# Altium PCB motordriver-v5.1_willem.PcbDoc (part 3 of 6) (continued)
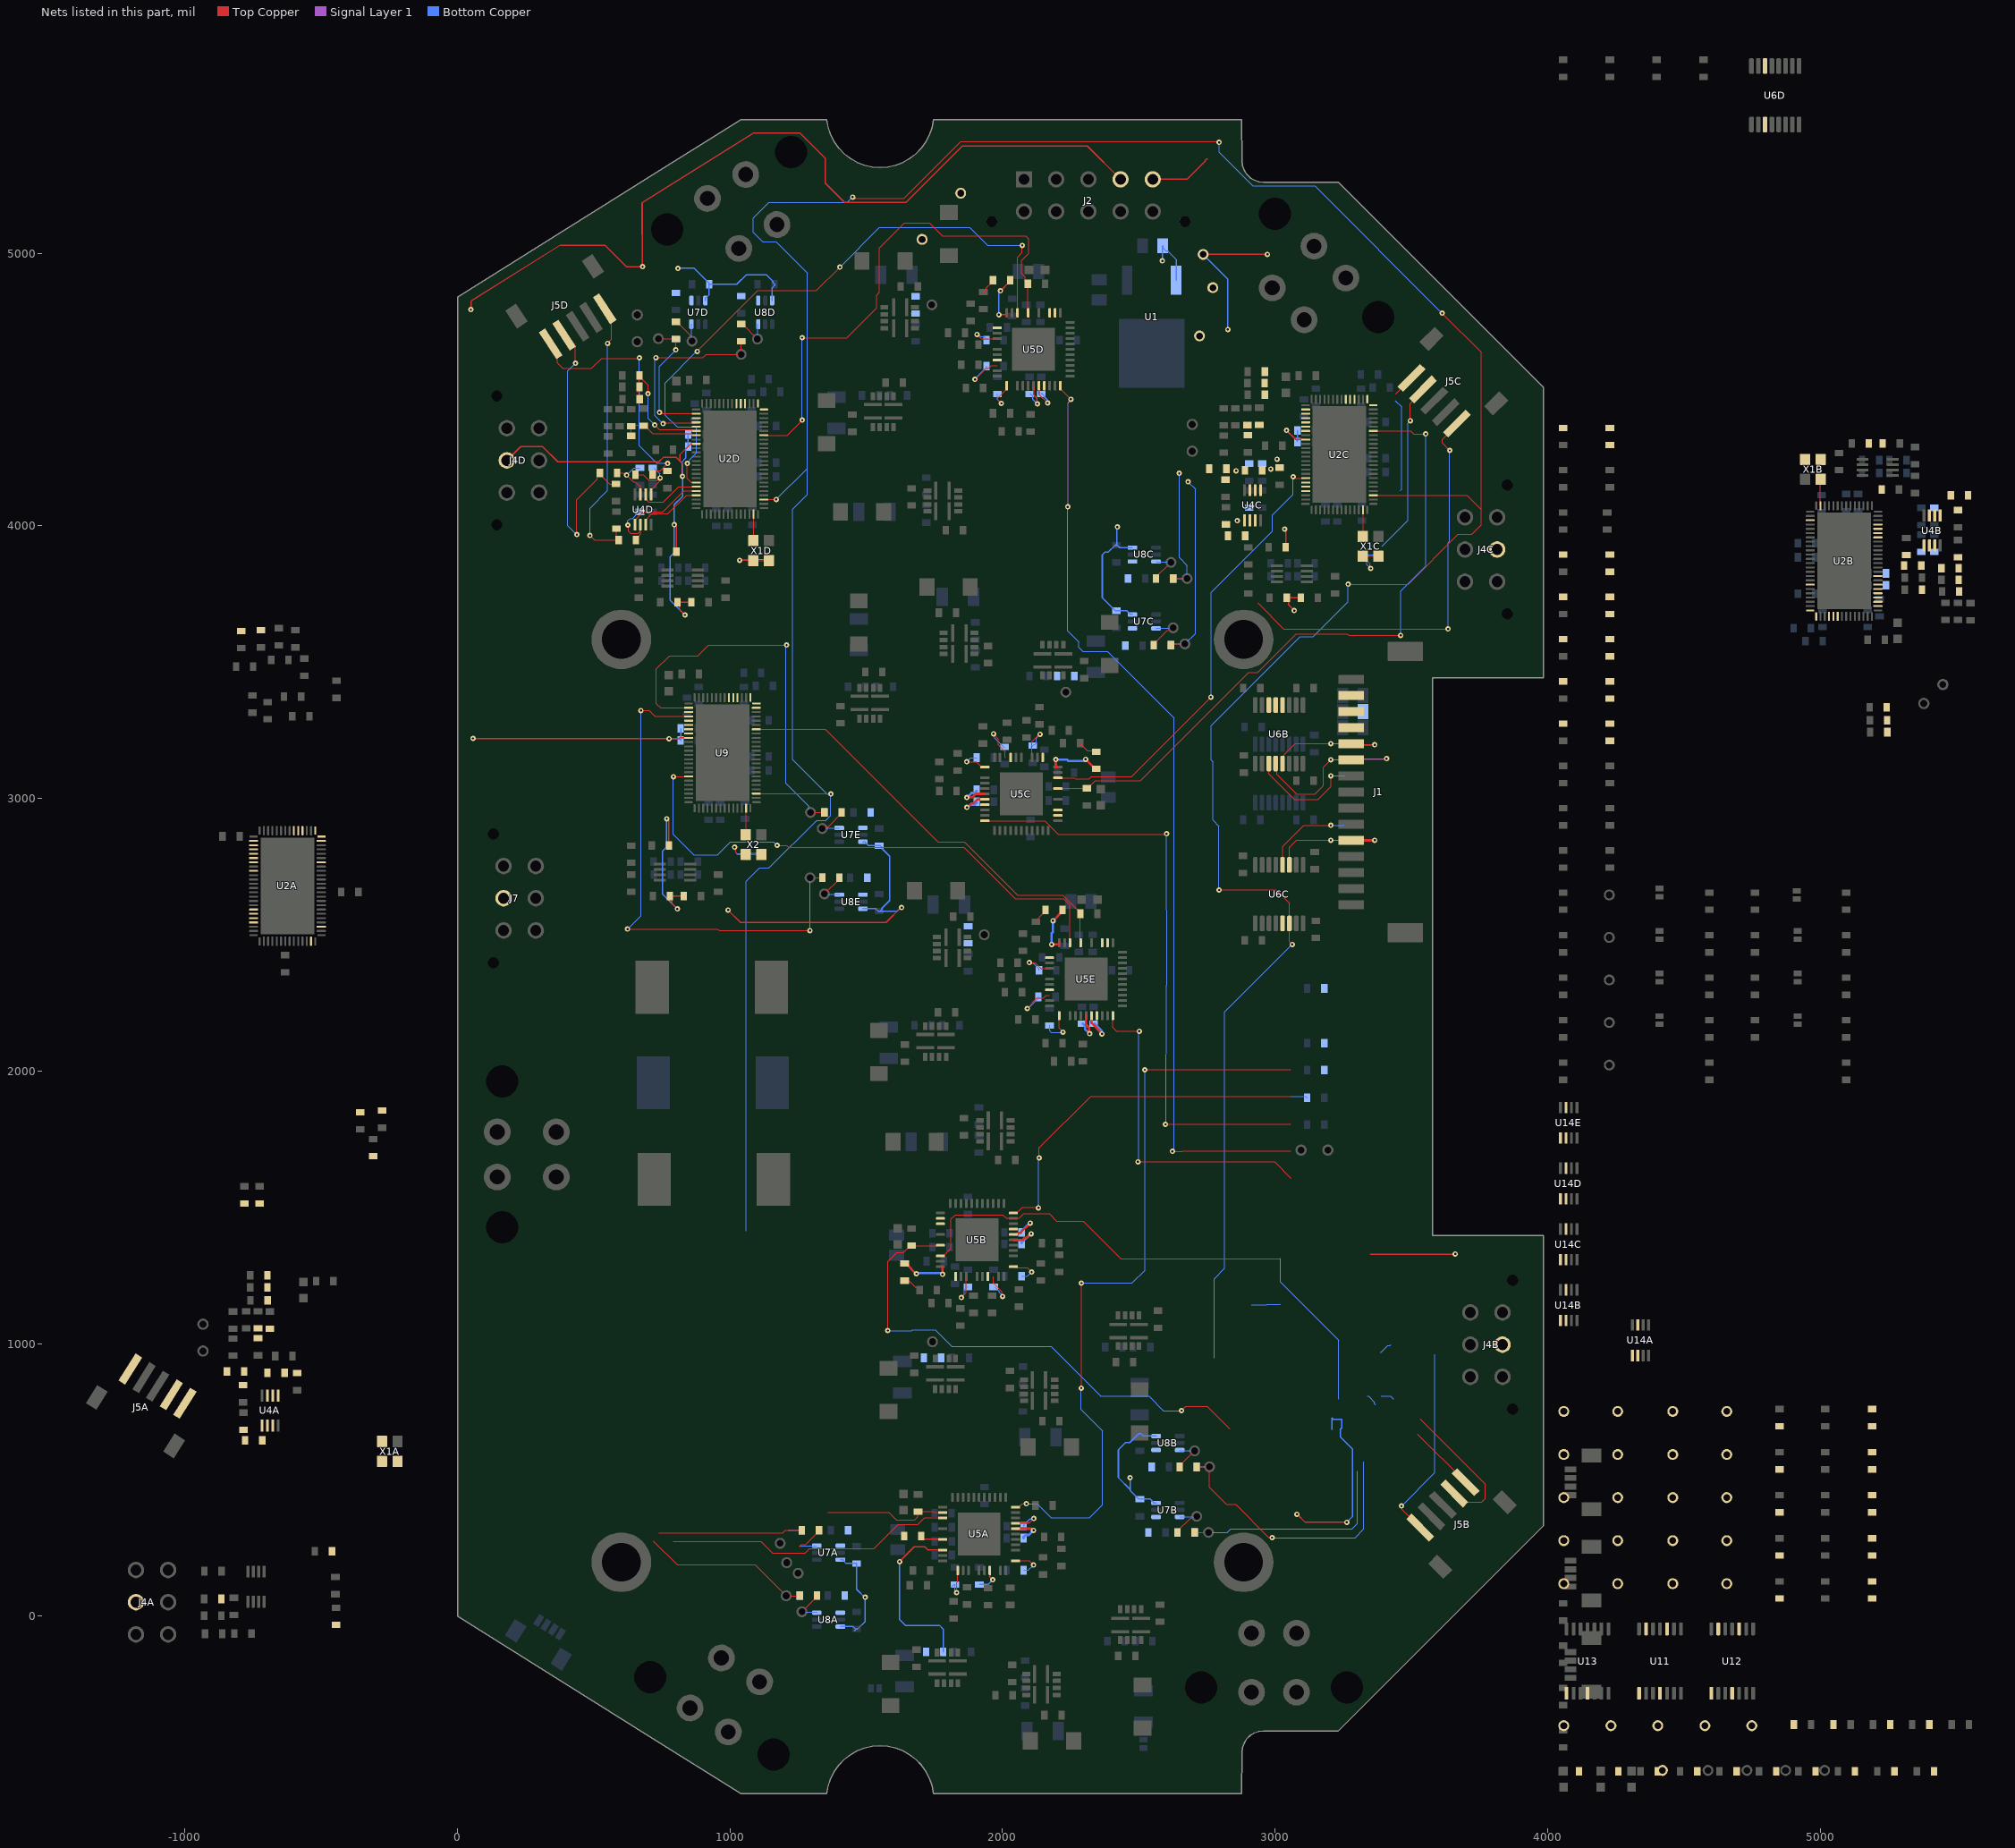
[diagram p5: the nets of this part, all layers, seen from the top]
## Nets (pads, with @x,y where several pads share a name; then routed paths per layer and width w, separated by ;. In a path a pad name is that pad's centre, name@x,y a point inside that pad or via, vN(x,y) a via of type N, cw(c..) or ccw(c..) an arc to the next point about the centre after c; other vN are vias at no path point) (continued)
  Top Copper w10: R49B.1@1640.87,1293.82 R49B.1@1644.81,1293.82
  Bottom Copper w9: v1@1691.85,1258.77 1771.83,1258.77 1776.96,1253.64 v1(1779.86,1253.64)
CPOC: R49C.1 U5C.26 | length 203.2
  Top Copper w9: v1(2195.37,3142.69) 2195.37,3115.34 2195.79,3114.92 2202.98,3114.92 ; v1(2304.91,3143.66) 2333.03,3115.54 2336.97,3115.54 R49C.1@2344.28,3108.23
  Bottom Copper w9: v1(2195.37,3142.69) 2235.95,3142.69 2240.84,3137.8 2299.04,3137.8 v1(2304.91,3143.66)
CPOD: R49D.1 U5D.26 | length 179.9
  Top Copper w5: v1(1986.6,4774.69) 2015.17,4774.69 ; v1(1992.72,4862.2) R49D.1@2024.21,4893.7 ; 2015.59,4775.11 2015.59,4781.72
  Top Copper w9: 2015.17,4774.69 2015.59,4775.11
  Top Copper w10: R49D.1@2024.21,4893.7 2028.15,4897.64 R49D.1@2028.15,4901.57
  Bottom Copper w5: v1(1986.6,4774.69) 1986.6,4853.19 1992.72,4859.31 v1(1992.72,4862.2)
CPOE: R49E.1 U5E.26 | length 176.2
  Top Copper w9: v1(2180.17,2464.63) 2207.49,2464.63 2207.91,2465.05 2207.91,2470.69 ; v1(2185.04,2551.18) R49E.1@2216.53,2582.68
  Top Copper w10: R49E.1@2216.53,2582.68 2220.47,2586.62 R49E.1@2220.47,2590.55
  Bottom Copper w9: v1(2180.17,2464.63) 2180.17,2504.45 2185.04,2509.32 v1(2185.04,2551.18)
CS0: J1.2 R81D.2
CS0_FILTER: C74D.2 R81D.1 U6B.3 | length 413.3
  Top Copper w3.5: U6B.3@2977.36,3127.95 2977.36,3089.18 3070.8,2995.75 3157.17,2995.75 3204.72,3043.31 v1(3204.72,3082.68)
  Bottom Copper w3.5: v1(3204.72,3082.68) 3253.39,3082.68 3253.94,3082.13
CS0_ISO: U6B.14 U14A.7
CS1: J1.3 R81E.2
CS1_FILTER: C74E.2 R81E.1 U6B.4 | length 417.6
  Top Copper w3.5: v1(3204.72,3141.73) 3177.17,3114.17 3177.17,3047.24 3145.67,3015.75 3079.08,3015.75 3006.22,3088.61 U6B.4@3006.22,3127.38 ; U6B.4@3004,3129.6 U6B.4@3006.22,3127.38 ; U6B.4@3004,3129.6 U6B.4@3006.22,3127.38 ; U6B.4@3004,3129.6 U6B.4@3006.22,3127.38
  Bottom Copper w3.5: v1(3204.72,3141.73) 3253.5,3141.73 3253.94,3141.3
CS1_ISO: U6B.13 U14B.7
CS2: J1.4 R81F.2
CS2_FILTER: C74F.2 R81F.1 U6B.5 | length 272.6
  Top Copper w3.5: U6B.5@3027.36,3127.95 3031.22,3131.81 3031.22,3158.59 3073.42,3200.79 v1(3204.72,3200.79)
  Bottom Copper w3.5: v1(3204.72,3200.79) 3253.61,3200.79 3253.94,3200.46
CS2_ISO: U6B.12 U14C.7
CS3: J1.5 R81G.2 | length 139.1
  Top Copper w3.5: J1.5@3279.33,3200.55 3281.18,3198.7 3364.29,3198.7 v1(3366.14,3196.85)
  Bottom Copper w3.5: 3316.93,3200.46 3320.54,3196.85 v1(3366.14,3196.85)
CS3_FILTER: C74G.2 R81G.1 U6C.4 | length 327.3
  Top Copper w3.5: U6C.4@3027.74,2756.18 3027.74,2823.74 3105.57,2901.58 v1(3204.72,2901.58)
  Bottom Copper w3.5: v1(3204.72,2901.58) 3250.87,2901.58 3253.94,2904.64
CS3_ISO: U6C.13 U14D.7
CS4: J1.6 R81H.2 | length 226.2
  Top Copper w3.5: J1.6@3279.33,3141.5 3281.42,3143.58 3407.36,3143.58 v1(3409.45,3145.67)
  Bottom Copper w3.5: 3316.93,3141.3 3321.3,3145.67 v1(3409.45,3145.67)
CS4_FILTER: C74H.2 R81H.1 U6C.3 | length 276.6
  Top Copper w3.5: U6C.3@3052.74,2756.18 3052.74,2820.45 3078.74,2846.46 v1(3204.72,2846.46)
  Bottom Copper w3.5: v1(3204.72,2846.46) 3252.95,2846.46 3253.94,2845.47
CS4_ISO: U6C.14 U14E.7
CTRL_C\S\: R9.2 U9.6 U13.1 U14E.1
CTRL_C\S\A: R1.2 U2A.6 U11.1 U14A.1
CTRL_C\S\B: R3.2 U2B.6 U11.10 U14B.1
CTRL_C\S\C: R5.2 U2C.6 U12.1 U14C.1
CTRL_C\S\D: R7.2 U2D.6 U12.10 U14D.1
CTRL_EN: J1.11 R81K.2 | length 136.5
  Top Copper w10: J1.11@3279.33,2846.22 3279.45,2846.34 3366.02,2846.34 v1(3366.14,2846.46)
  Bottom Copper w10: 3316.93,2845.47 3317.91,2846.46 v1(3366.14,2846.46)
CTRL_EN_FILTER: C74K.2 R81K.1 U6D.3
CTRL_EN_ISO: U2A.55 U2B.55 U2C.55 U2D.55 U6D.14 U9.55 | length 12770.1
  Top Copper w3.5: U9.55@1096.54,3017.68 1097.38,3016.84 1369.16,3016.84 v1(1370,3016) ; U2D.55@1124.09,4096.42 1124.45,4096.78 1169.19,4096.78 v1(1169.55,4097.14) ; v1(1450,5206) 1453.1,5202.9 1459.55,5202.9 1460.14,5202.31 1638.31,5202.31 1846.16,5410.16 2784.86,5410.16 2784.92,5410.1 2791.9,5410.1 v1(2795,5407) ; v1(2795,2664) 2796.08,2665.08 3002.92,2665.08 3052.74,2615.26 3052.74,2474.82 v1(3062.99,2464.57) ; v1(3268,3786) 3488.83,3786 3672.31,3969.49 3722.24,3969.49 3756.67,4003.92 3756.67,4059.11 ; U2C.55@3360.31,4112.17 3703.62,4112.17 3756.67,4059.11 ; v1(3613.09,4780.52) 3756.67,4636.94 3756.67,4059.11
  Bottom Copper w3.5: 1059.56,1412.36 1059.56,2695.56 1109,2745 1143.31,2745 1317.7,2919.39 1352.01,2919.39 1370,2937.38 v1(1370,3016) 1356,3016 1229,3143 1229,4061.54 1283.61,4116.15 1283.61,4211.19 ; v1(1169.55,4097.14) 1283.61,4211.19 ; v1(1450,5206) 1430.57,5186.57 1142.49,5186.57 1085.93,5130.01 1085.93,5076.19 1119.97,5042.15 1169.48,5042.15 1283.61,4928.02 1283.61,4211.19 ; 2777,946 2777,1238 2815,1276 2815,2216.58 v1(3062.99,2464.57) ; v1(2795,2664) 2794,2665 2794,2898 2771.48,2920.52 2771.48,3134.52 2766,3140 2766,3267 3092,3593 3140,3593 3268,3721 v1(3268,3786) ; v1(2795,5407) 2795,5371 2918,5248 3145.61,5248 v1(3613.09,4780.52)
CUA: C31A.1 U5A.1 | length 116.3
  Top Copper w3.5: U5A.1@2047.92,202.91 2098.39,202.91 v1(2113.76,187.53)
  Bottom Copper w3.5: C31A.1@2077.67,168.22 2094.45,168.22 v1(2113.76,187.53)
CUB: C31B.1 U5B.1 | length 118.1
  Top Copper w3.5: U5B.1@2040.05,1281.65 2042.47,1279.23 2055.63,1279.23 2057.21,1277.64 2091.3,1277.64 v1(2106.77,1262.17)
  Bottom Copper w3.5: C31B.1@2069.8,1246.96 2091.57,1246.96 v1(2106.77,1262.17)
CUC: C31C.1 U5C.1 | length 118.1
  Top Copper w3.5: v1(1868.51,3134.41) 1903.97,3134.41 1923.45,3114.92 U5C.1@1935.26,3114.92
  Bottom Copper w3.5: v1(1868.51,3134.41) 1883.71,3149.61 C31C.1@1905.51,3149.61
CUD: C31D.1 U5D.1 | length 124.4
  Top Copper w3.5: v1(1995.59,4449.32) 1982.95,4461.97 1982.95,4469.55 2015.59,4502.19 U5D.1@2015.59,4514
  Bottom Copper w3.5: C31D.1@1980.91,4484.25 1980.91,4464.01 v1(1995.59,4449.32)
CUE: C31E.1 U5E.1 | length 136.5
  Top Copper w3.5: U5E.1@2207.91,2202.98 2207.91,2157.09 2221.75,2143.25 v1(2221.75,2142.87)
  Bottom Copper w3.5: C31E.1@2172.54,2166.98 2172.54,2148.53 2179.01,2142.06 2220.94,2142.06 v1(2221.75,2142.87)
CUR_OUT1A: R59A.1 TP18A.1 U7A.6 | length 161.1
  Top Copper w3.5: 1255.91,255.91 1262.22,262.22 1277.97,262.22 1326.77,311.02 R59A.1@1326.77,314.96
  Bottom Copper w3.5: 1255.91,255.91 1257.05,257.05 1317.24,257.05 U7A.6@1318.38,258.19
CUR_OUT1B: R59B.1 TP18B.1 U7B.6 | length 161.1
  Top Copper w3.5: R59B.1@2641.73,307.09 2641.73,311.02 2690.54,359.83 2706.28,359.83 2712.6,366.14
  Bottom Copper w3.5: U7B.6@2650.12,363.86 2651.26,365 2711.46,365 2712.6,366.14
CUR_OUT1C: R59C.1 TP18C.1 U7C.6 | length 161.1
  Top Copper w3.5: R59C.1@2555.12,3566.93 2555.12,3570.87 2563.43,3579.18 2567.37,3579.18 2605.51,3617.32 2608.39,3617.32 2617.05,3625.98 2625.98,3625.98
  Bottom Copper w3.5: U7C.6@2563.5,3623.7 2564.65,3624.84 2624.84,3624.84 2625.98,3625.98
CUR_OUT1D: R59D.1 TP18D.1 U7D.6 | length 161.1
  Top Copper w3.5: R59D.1@801.5,4748.55 805.43,4748.55 854.81,4699.17 854.81,4683.42 860.55,4677.68
  Bottom Copper w3.5: U7D.6@858.27,4740.16 859.41,4739.02 859.41,4678.82 860.55,4677.68
CUR_OUT1E: R59E.1 TP18E.1 U7E.6 | length 161.1
  Top Copper w3.5: 1338.58,2889.76 1344.9,2896.08 1360.65,2896.08 1409.45,2944.88 R59E.1@1409.45,2948.82
  Bottom Copper w3.5: 1338.58,2889.76 1339.72,2890.9 1399.92,2890.9 U7E.6@1401.06,2892.05
CUR_OUT2A: R60A.1 TP20A.1 U8A.6 | length 137.7
  Top Copper w3.5: 1263.78,15.75 1318.9,70.87 R60A.1@1318.9,74.8
  Bottom Copper w3.5: 1263.78,15.75 1265.3,14.23 1316.87,14.23 U8A.6@1318.39,12.72
CUR_OUT2B: R60B.1 TP20B.1 U8B.6 | length 137.7
  Top Copper w3.5: R60B.1@2649.61,547.24 2649.61,551.18 2704.72,606.3
  Bottom Copper w3.5: U8B.6@2650.12,609.33 2651.63,607.82 2703.21,607.82 2704.72,606.3
CUR_OUT2C: R60C.1 TP20C.1 U8C.6 | length 137.7
  Top Copper w3.5: R60C.1@2562.99,3807.09 2562.99,3811.02 2618.11,3866.14
  Bottom Copper w3.5: U8C.6@2563.5,3869.17 2565.02,3867.66 2616.59,3867.66 2618.11,3866.14
CUR_OUT2D: R60D.1 TP20D.1 U8D.6 | length 137.7
  Top Copper w3.5: R60D.1@1041.65,4740.67 1045.59,4740.67 1100.71,4685.55
  Bottom Copper w3.5: 1100.71,4685.55 1102.22,4687.07 1102.22,4738.64 U8D.6@1103.74,4740.16
CUR_OUT2E: R60E.1 TP20E.1 U8E.6 | length 137.7
  Top Copper w3.5: 1346.46,2649.61 1401.58,2704.72 R60E.1@1401.57,2708.66
  Bottom Copper w3.5: 1346.46,2649.61 1347.97,2648.09 1399.55,2648.09 U8E.6@1401.06,2646.57
CUR_UA: C46A.2 R59A.2 TP17A.1 U2A.16 | length 580.2
  Top Copper w3.5: 738.79,305.12 1193.83,305.12 1203.67,314.96 R59A.2@1263.78,314.96
  Bottom Copper w3.5: 1212.6,314.96 C46A.2@1263.78,314.96
CUR_UB: C46B.2 R59B.2 TP17B.1 U2B.16 | length 853.6
  Top Copper w3.5: R59B.2@2704.72,307.09 2755.91,307.09
  Bottom Copper w3.5: C46B.2@2704.72,307.09 2755.91,307.09 2824.84,307.09 2838.17,320.42 3283.27,320.42 3302,339.15 3302,531
CUR_UC: C46C.2 R59C.2 TP17C.1 U2C.16 | length 826.6
  Top Copper w3.5: R59C.2@2618.11,3566.93 2669.29,3566.93 R59C.2@2618.11,3566.93
  Bottom Copper w3.5: v1(2681,4162) 2707.56,4135.44 2707.56,3605.2 2669.29,3566.93 ; 2669.29,3566.93 2618.11,3566.93 2669.29,3566.93
CUR_UD: C46D.2 R59D.2 TP17D.1 U2D.16 | length 537.6
  Top Copper w3.5: 737,4687 800.05,4687 R59D.2@801.5,4685.55 801,4685.06 v1(801,4646) ; v1(741,4416) 743.81,4413.19 874.25,4413.19 U2D.16@876.06,4411.38
  Bottom Copper w3.5: v1(741,4416) 740,4417 740,4585 v1(801,4646) 801.5,4646 C46D.2@801.5,4685.55
CUR_UE: C46E.2 R59E.2 TP17E.1 U9.16 | length 1509.5
  Top Copper w3.5: 779.87,3331.95 745.21,3331.95 729.78,3347.39 729.78,3475.35 778.12,3523.69 882.61,3523.69 921.82,3562.9 v1(1207.58,3562.9) ; 779.89,3331.98 U9.16@836.61,3331.98 ; 1295.27,2948.82 R59E.2@1346.46,2948.82
  Bottom Copper w3.5: v1(1207.58,3562.9) 1205.79,3561.11 1205.79,3055.21 1289.37,2971.63 1289.37,2954.72 1295.28,2948.82 C46E.2@1346.46,2948.82
CUR_WA: C49A.2 R60A.2 TP19A.1 U2A.18 | length 671.7
  Top Copper w3.5: 717.8,276.3 805.9,188.2 1092.41,188.2 1206.11,74.5 1255.6,74.5 R60A.2@1255.9,74.8
  Bottom Copper w3.5: 1206.11,74.5 1255.6,74.5 C49A.2@1255.9,74.8
CUR_WB: C49B.2 R60B.2 TP19B.1 U2B.18 | length 1063.7
  Top Copper w3.5: R60B.2@2712.6,547.24 2755.91,547.24 ; 2759.7,547.57 2759.7,471.84 2822.11,409.42 2855.65,409.42 2976.09,288.98 2988.21,288.98 v1(2989.41,287.78)
  Bottom Copper w3.5: C49B.2@2712.6,547.24 2755.91,547.24 ; v1(2989.41,287.78) 3293.51,287.78 3325,319.26 3325,566
CUR_WC: C49C.2 R60C.2 TP19C.1 U2C.18 | length 492.9
  Top Copper w3.5: R60C.2@2625.98,3807.09 2669.29,3807.09
  Bottom Copper w3.5: C49C.2@2625.98,3807.09 2626.36,3806.71 2677.18,3806.71 2677.18,3855.1 2648.48,3883.8 v1(2648.48,4193.02)
CUR_WD: C49D.2 R60D.2 TP19D.1 U2D.18 | length 789.7
  Top Copper w3.5: v1(728,4617) 900,4617 912.5,4629.5 1040.9,4629.5 ; v1(754,4375) 757.07,4378.07 874.25,4378.07 U2D.18@876.06,4379.88 ; 1041.65,4634.37 R60D.2@1041.65,4677.68
  Bottom Copper w3.5: v1(728,4617) 728,4612.62 724.41,4609.03 724.41,4404.59 v1(754,4375) ; 1040.9,4629.5 1040.9,4676.93 C49D.2@1041.65,4677.68
CUR_WE: C49E.2 R60E.2 TP19E.1 U9.18 | length 1962.6
  Top Copper w3.5: v1(623.91,2520.9) 954.36,2520.9 960.12,2515.15 v1(1293.38,2515.15) ; v1(673.27,3322.43) 702.34,3322.43 723.63,3301.14 U9.18@848.5,3301.14 ; R60E.2@1338.58,2708.66 1295.28,2708.66 ; 1295.28,2708.66 1293.79,2707.18 1295.28,2708.66
  Bottom Copper w3.5: v1(623.91,2520.9) 673.27,2570.27 v1(673.27,3322.43) ; v1(1293.38,2515.15) 1293.59,2515.36 1293.59,2708.7 1293.79,2708.9 ; 1295.27,2708.66 C49E.2@1338.58,2708.66
CVA: C32A.1 U5A.35 | length 94.9
  Top Copper w5: U5A.35@1953.44,167.47 1953.44,143.56 v1(1964,133)
  Bottom Copper w5: C32A.1@1915,116 1947,116 v1(1964,133)
CVB: C32B.1 U5B.35 | length 134.8
  Top Copper w3.5: 1965.25,1246.22 1966.28,1245.18 1966.28,1221.98 1998.21,1190.05 1998.21,1174.7 v1(2000.19,1172.71)
  Bottom Copper w3.5: C32B.1@1971.37,1207.59 1987.75,1191.21 1987.75,1188.34 2000.19,1175.9 v1(2000.19,1172.71)
CVC: C32C.1 U5C.35 | length 172.5
  Top Copper w3.5: v1(1966.62,3237.2) 1985.44,3218.39 1985.44,3196.02 2009.8,3171.65 2009.8,3150.62 2010.06,3150.36
  Bottom Copper w3.5: v1(1966.62,3237.2) 1966.62,3233.23 1971.01,3228.84 1971.01,3221.91 2003.94,3188.98 C32C.1@2007.87,3188.98
CVD: C32D.1 U5D.35 | length 168.8
  Top Copper w3.5: v1(1899.14,4537.64) 1940.1,4578.61 1948.93,4578.61 1958.86,4588.54 1979.89,4588.54 1980.16,4588.8
  Bottom Copper w3.5: v1(1899.14,4537.64) 1899.14,4540.28 1941.54,4582.68 C32D.1@1941.54,4586.61
CVE: C32E.1 U5E.35 | length 171.9
  Top Copper w3.5: v1(2090.92,2229.04) 2109.56,2247.69 2109.56,2251.75 2125.4,2267.58 2150.47,2267.58 2160.67,2277.78 2172.48,2277.78
  Bottom Copper w3.5: v1(2090.92,2229.04) 2092.54,2229.04 C32E.1@2131.89,2268.39 ; C32E.1@2131.89,2268.39 2131.89,2273.62 C32E.1@2131.89,2268.39
CWA: C40A.1 U5A.30 | length 132.5
  Top Copper w3.5: v1(1832,86) 1832,122.72 1835.32,126.04 U5A.30@1835.32,167.47
  Bottom Copper w3.5: C40A.1@1812.75,106.7 1822.06,116.01 C40A.1@1826,116.01 1826,92 v1(1832,86)
CWB: C40B.1 U5B.30 | length 136.5
  Top Copper w3.5: v1(1848.82,1168.51) 1866.82,1186.51 1866.82,1246.22
  Bottom Copper w3.5: v1(1848.82,1168.51) 1848.82,1171.29 1859.7,1182.16 1859.7,1198.28 1869.01,1207.59 C40B.1@1872.95,1207.59
CWC: C40C.1 U5C.30 | length 176
  Top Copper w3.5: 2108.49,3150.36 2108.49,3208.64 2135.67,3235.83 v1(2137.68,3235.83)
  Bottom Copper w3.5: C40C.1@2104.12,3188.98 C40C.1@2106.3,3188.98 ; v1(2137.68,3235.83) 2137.68,3235.48 2123.82,3221.62 2123.82,3203.02 2119.09,3198.29 C40C.1@2115.61,3198.29 ; C40C.1@2106.3,3188.98 C40C.1@2115.61,3198.29 ; C40C.1@2106.3,3188.98 C40C.1@2115.61,3198.29
CWD: C40D.1 U5D.30 | length 127.2
  Top Copper w3.5: v1(1906.1,4702.78) 1921.65,4687.23 1980.16,4687.23
  Bottom Copper w3.5: v1(1906.1,4702.78) 1910.07,4702.78 1918.51,4694.35 1932.22,4694.35 1941.54,4685.04 C40D.1@1941.54,4681.1
CWE: C40E.1 U5E.30 | length 133.4
  Top Copper w3.5: v1(2097.92,2397.97) 2118.68,2397.97 2140.44,2376.21 2172.48,2376.21
  Bottom Copper w3.5: v1(2097.92,2397.97) 2100.73,2395.16 2112.71,2395.16 2133.86,2374.02 C40E.1@2133.86,2370.08
D\B\G\S\P\I\_\C\S\_E: TP21.1 U9.75
DBGSPI.DBGSPI_MISO: TP4.1 U2A.4
DBGSPI.DBGSPI_MOSI: TP3.1 U2A.1
DBGSPI.DBGSPI_SCK: TP2.1 U2A.76
DBGSPI.DBGSPI_TRG: TP5.1 U2A.5 | length 549.3
  Top Copper w5: TP5.1@2736.22,4996.06 v1(2972.44,4996.06)
  Bottom Copper w5: TP5.1@2736.22,4996.06 2826.77,4905.51 v1(2826.77,4720.47)
DBGSPI.~DBGSPI_CS: TP1.1 U2A.75
DBGSPI_MISO_E: TP24.1 U9.4
DBGSPI_MISOB: U2B.4
DBGSPI_MISOC: U2C.4
DBGSPI_MISOD: U2D.4
DBGSPI_MOSI_E: TP23.1 U9.1
DBGSPI_MOSIB: U2B.1
DBGSPI_MOSIC: U2C.1
DBGSPI_MOSID: U2D.1
DBGSPI_SCK_E: TP22.1 U9.76
DBGSPI_SCKB: U2B.76
DBGSPI_SCKC: U2C.76
DBGSPI_SCKD: U2D.76
DBGSPI_TRG_E: TP25.1 U9.5
DBGSPI_TRGB: U2B.5
DBGSPI_TRGC: U2C.5
DBGSPI_TRGD: U2D.5
DRB_TEMP: C72.2 R77.2 R79.1 U9.22
DRV_C\S\A: R2.2 U5A.10 U11.4 U14A.2 | length 2737.1
  Top Copper w3.5: U5A.10@2047.92,399.76 2059.73,399.76 2071.98,412 v1(2088,412) ; v1(2288.91,836.58) 2289.12,836.8 2289.12,1221.57 v1(2289.34,1221.79) ; v1(2522.07,2004.25) 2523.49,2005.67 3056.85,2005.67 3058.27,2007.09
  Bottom Copper w3.5: v1(2088,412) 2127.69,412 2178.99,360.7 2320,360.7 2367.21,407.9 2367.21,679.32 2288.91,757.62 v1(2288.91,836.58) ; v1(2289.34,1221.79) 2475.77,1221.79 2522.07,1268.09 v1(2522.07,2004.25)
DRV_C\S\B: R4.2 U5B.10 U11.13 U14B.2 | length 1324.9
  Top Copper w3.5: U5B.10@2040.05,1478.5 2051.86,1478.5 2073.49,1500.13 2129.87,1500.13 v1(2132,1498) ; v1(2134,1681) 2134,1717.5 2323.59,1907.09 3058.27,1907.09
  Bottom Copper w3.5: v1(2132,1498) 2133,1499 2133,1680 v1(2134,1681)
DRV_C\S\C: R6.2 U5C.10 U12.4 U14C.2 | length 2437.4
  Top Copper w3.5: v1(2598,1804) 2599.54,1805.54 3056.72,1805.54 3058.27,1807.09 ; v1(2602,2870) 2599.8,2867.81 2205.19,2867.81 2154.97,2918.02 ; 2154.97,2918.02 1935.26,2918.02 2154.97,2918.02
  Bottom Copper w3.5: v1(2598,1804) 2598.97,1804.97 2600,1806 2601.59,2314.95 ccw(c2585,2315) 2601.59,2315.05 2600,2865.1 2600,2868 2601.03,2869.02 v1(2602,2870)
DRV_C\S\D: R8.2 U5D.10 U12.13 U14D.2 | length 3483.5
  Top Copper w3.5: U5D.10@2212.44,4514 2212.44,4502.19 2249.94,4464.69 v1(2251,4464.69) ; v1(2623,1705) 2658.74,1705 2660.46,1706.73 3057.91,1706.73 3058.27,1707.09
  Signal Layer 1 w3.5: v1(2239,4070) 2241.34,4072.34 2241.34,4451.05 2251,4460.72 v1(2251,4464.69)
  Bottom Copper w3.5: v1(2239,4070) 2239,3615.4 2279.69,3574.7 2279.69,3554.09 2295.12,3538.67 2385.26,3538.67 2629,3294.92 2629,1714.97 2623,1708.97 v1(2623,1705)
DRV_C\S\E: R10.2 U5E.10 U13.4 U14E.2 | length 1213.4
  Top Copper w3.5: U5E.10@2404.76,2202.98 2404.76,2159.62 2418.38,2146 v1(2502,2146) ; v1(2497,1667) 2998.35,1667 3058.27,1607.09
  Bottom Copper w3.5: v1(2497,1667) 2499.5,1669.5 2499.5,2143.5 v1(2502,2146)
DRV_EN: U5E.24 U9.32 | length 2008.3
  Top Copper w3.5: v1(792.44,3079.53) 793.59,3080.67 U9.32@848.5,3080.67 ; v1(1173,2828) 1208,2828 1215,2821 1858,2821 2046.77,2632.23 2224.17,2632.23 2247.28,2609.12 2247.28,2470.69
  Bottom Copper w3.5: v1(792.44,3079.53) 792.34,3079.42 792.34,2867.66 866.59,2793.41 954.03,2793.41 1001.62,2841 1160,2841 v1(1173,2828)
DRV_ENA: U2A.32 U5A.24 | length 1059.7
  Top Copper w3.5: 791.01,273.75 1113.81,273.75 1155.55,232 1276,232 1292,248 1529,248 1617,336 1690,336 1714.39,360.39 U5A.24@1780.21,360.39
DRV_ENB: U2B.32 U5B.24 | length 2056.9
  Top Copper w3.5: 1772.33,1321.02 1784.14,1321.02 1786.56,1323.44 1786.56,1323.73 1811.2,1348.36 1811.2,1456.71 1826.42,1471.93 2001.55,1471.93 2013.49,1459.99 2062.21,1459.99 2078.49,1476.27 2171.14,1476.27 2198.34,1449.07 2295.64,1449.07 2433.82,1310.88 3017.88,1310.88
  Bottom Copper w3.5: 3020,1313 3020,1225.22 3232.9,1012.32 3232.9,796.14
DRV_ENC: U2C.32 U5C.24 | length 1669.5
  Top Copper w3.5: 2202.98,3075.55 2264.2,3075.55 2268.25,3071.51 2317.66,3071.51 2325.91,3079.76 2472.89,3079.76 2764.3,3371.17 v1(2764.3,3371.79) ; v1(3066.22,4180.26) 3070.2,4180.26 3075.3,4175.16 U2C.32@3112.28,4175.16
  Bottom Copper w3.5: v1(2764.3,3371.79) 2765.16,3372.65 2765.16,3755.67 2989.78,3980.29 2989.78,4039.74 3066.22,4116.18 v1(3066.22,4180.26)
DRV_END: U2D.32 U5D.24 | length 2320.4
  Top Copper w3.5: v1(843.31,4229.09) 843,4228.78 843,4175 857.48,4160.52 874.95,4160.52 U2D.32@876.06,4159.41 ; v1(880,4640) 880,4642.49 1101,4863.48 1317.09,4863.48 v1(1403.11,4949.51) ; 2054.96,4781.72 2054.96,4985.93 2072.39,5003.36 v1(2072.39,5028.91)
  Bottom Copper w3.5: v1(843.31,4229.09) 843.31,4231.27 852.89,4240.85 852.89,4243.33 877.49,4267.93 877.49,4356.68 871.76,4362.41 805.68,4362.41 761.68,4406.41 761.68,4524.17 877.51,4640 v1(880,4640) ; v1(1403.11,4949.51) 1548.96,5095.35 1879.62,5095.35 1946.06,5028.91 v1(2072.39,5028.91)
ENC_A_CTRLA: U2A.35 U4A.7
ENC_A_CTRLB: U2B.35 U4B.7
ENC_A_CTRLC: U2C.35 U4C.7
ENC_A_CTRLD: U2D.35 U4D.7 | length 239.5
  Top Copper w3.5: U4D.7@690.84,4004.68 690.84,4021.42 713.67,4044.25 772.25,4044.25 840.17,4112.17 U2D.35@876.06,4112.17
ENC_AA: J5A.1 R31A.2 R34A.1
ENC_AB: J5B.1 R31B.2 R34B.1 | length 249.7
  Top Copper w3.5: 3522.96,668.11 J5B.1@3699.5,491.56
ENC_AC: J5C.1 R31C.2 R34C.1 | length 424
  Top Copper w3.5: 3442.8,4484.69 J5C.1@3500.71,4542.6
  Bottom Copper w3.5: 3440.94,4460.63 3464.57,4437.01 3464.57,4133.86 3460.63,4129.92
  other v1: 3007.22,4244.75
ENC_AD: J5D.1 R31D.2 R34D.1 | length 933.1
  Top Copper w3.5: J5D.1@341.95,4667.87 366.49,4643.33 366.49,4598.51 387,4578 492,4578 529,4615 665.41,4615 v1(667,4616.59) ; R34D.1@716.5,4188 716.5,4191.94 726.56,4202 744,4202 v1(771,4229)
  Bottom Copper w3.5: v1(667,4616.59) 666.18,4615.77 666.18,4293.82 730.34,4229.66 770.34,4229.66 v1(771,4229)
ENC_B_CTRLA: U2A.34 U4A.5
ENC_B_CTRLB: U2B.34 U4B.5
ENC_B_CTRLC: U2C.34 U4C.5
ENC_B_CTRLD: U2D.34 U4D.5 | length 285.4
  Top Copper w3.5: U4D.5@651.47,4004.68 651.47,4021.42 681.3,4051.25 754.25,4051.25 830.91,4127.91 U2D.34@876.06,4127.91
ENC_BA: J5A.2 R32A.2 R35A.1
ENC_BB: J5B.2 R32B.2 R35B.1 | length 525.3
  Top Copper w3.5: 3531.5,724.41 3771.65,484.25 3771.65,431.05 3758.58,417.98 3689.57,417.98 J5B.2@3657.75,449.8
ENC_BC: J5C.2 R32C.2 R35C.1 | length 637.7
  Top Copper w3.5: v1(3496.06,4385.83) 3496.06,4448.82 3542.47,4495.22 J5C.2@3542.47,4500.84
  Bottom Copper w3.5: 3392.73,3925.2 3487.59,4020.05 3487.59,4375.56 3496.06,4384.03 v1(3496.06,4385.83)
ENC_BD: J5D.2 R32D.2 R35D.1 | length 1116.4
  Top Copper w3.5: J5D.2@391.45,4700.08 404.08,4697.4 405.1,4697.19 406.09,4696.19 433.07,4654.72 v1(433.07,4596.46) ; v1(438,3968) 438,4096 512.44,4170.44 512.44,4183.94 R35D.1@522.5,4194 522.5,4190.06 559.07,4153.5 R32D.2@582,4153.5
  Bottom Copper w3.5: v1(433.07,4596.46) 405,4568.39 405,4001 v1(438,3968)
ENC_N_CTRLA: U2A.33 U4A.2
ENC_N_CTRLB: U2B.33 U4B.2
ENC_N_CTRLC: U2C.33 U4C.2
ENC_N_CTRLD: U2D.33 U4D.2 | length 229.4
  Top Copper w3.5: U4D.2@690.84,4115.31 690.84,4098.58 701.41,4088.02 755.5,4088.02 811.14,4143.66 U2D.33@876.06,4143.66
ENC_TRIG1A: C17A.2 R34A.2 U4A.1
ENC_TRIG1B: C17B.2 R34B.2 U4B.1 | length 45.6
  Bottom Copper w3.5: 3338.58,807.09 3342.52,807.09 3364.9,784.7 3364.9,779.1 3368,776
ENC_TRIG1C: C17C.2 R34C.2 U4C.1
  other v1: 2984.22,4208.75
ENC_TRIG1D: C17D.2 R34D.2 U4D.1 | length 223.8
  Top Copper w3.5: R34D.2@653.5,4188 681.51,4188 702.51,4167 731.65,4167 740.65,4176 v1(744,4176) 740.9,4172.9 740.9,4162.42 710.53,4132.05 U4D.1@710.53,4115.31
  Bottom Copper w3.5: C17D.2@720.47,4212.6 741.98,4191.09 741.98,4178.02 v1(744,4176)
ENC_TRIG2A: C18A.2 R35A.2 U4A.3
ENC_TRIG2B: C18B.2 R35B.2 U4B.3 | length 49.4
  Bottom Copper w3.5: 3389.76,807.09 3423.74,807.09 3433.83,797 3435,797
ENC_TRIG2C: C18C.2 R35C.2 U4C.3
  other v1: 2857.22,4201.75
ENC_TRIG2D: C18D.2 R35D.2 U4D.3 | length 193.8
  Top Copper w3.5: R35D.2@585.5,4194 608.62,4194 616.62,4186 v1(621,4186) 621,4185.52 644.98,4161.54 652.23,4161.54 671.16,4142.61 U4D.3@671.16,4115.31
  Bottom Copper w3.5: v1(621,4186) 647.6,4212.6 C18D.2@669.29,4212.6
ENC_TRIG3A: C19A.2 R36A.2 U4A.6
ENC_TRIG3B: C19B.2 R36B.2 U4B.6 | length 50.8
  Bottom Copper w3.5: 3385.83,968.5 3389.76,968.5 3413.59,992.33 3421.46,992.33 3425.2,996.06
ENC_TRIG3C: C19C.2 R36C.2 U4C.6
  other v1: 2861.22,4018.75
ENC_TRIG3D: C19D.2 R36D.2 U4D.6 | length 238.6
  Top Copper w3.5: v1@628.1,4003.27 626.68,4004.68 v1(625,4003) 628.1,3999.9 628.1,3980.9 636,3973 664,3973 670.44,3979.44 670.44,4003.97 U4D.6@671.16,4004.68 671.16,3968.6 654.5,3951.94 R36D.2@654.5,3948
  Bottom Copper w3.5: v1(625,4003) 625,4018.7 633.66,4027.36 641.53,4027.36 665.35,4051.18 C19D.2@669.29,4051.18
ENCA_N: J5A.5 R33A.2 R36A.1
ENCB_N: J5B.5 R33B.2 R36B.1 | length 715.3
  Top Copper w3.5: v1(3464,404) 3467.1,400.9 3467.1,389.9 J5B.5@3532.47,324.53
  Bottom Copper w3.5: v1(3464,404) 3586.61,526.61 3586.61,960.63
ENCC_N: J5C.5 R33C.2 R36C.1 | length 1528.3
  Top Copper w3.5: 2935.76,3717.78 3031.5,3622.05 3484.03,3622.05 3484.08,3622 v1(3635,3622) ; v1(3641,4277) 3614.17,4303.83 3614.17,4317.01 3667.74,4370.58 J5C.5@3667.74,4375.56
  Bottom Copper w3.5: v1(3635,3622) 3635,3938.04 3641,3944.04 v1(3641,4277)
ENCD_N: J5D.5 R33D.2 R36D.1 | length 1034.5
  Top Copper w3.5: v1@486,3966.32 v1(486,3965) 503,3948 R36D.1@591.5,3948 583,3956.5 R33D.2@583,3989.5 ; J5D.5@539.94,4796.7 566,4770.64 566,4685.44 551,4670.44 v1(551,4670)
  Bottom Copper w3.5: v1(486,3965) 486,4064.74 551,4129.74 v1(551,4670)
FAULT: R56E.1 U5E.23 U9.70 | length 1578.4
  Top Copper w3.5: U9.70@1096.54,3253.9 1349.66,3253.9 1763.56,2840 1860,2840 2055,2645 2221.3,2645 2285.43,2580.87 2285.43,2483.72 2286.65,2482.5 2286.65,2470.69
FAULTA: R56A.1 U2A.70 U5A.23 | length 457.5
  Top Copper w3.5: 1360,381 1582,381 1611,352 1677,352 1690,365 R56A.1@1690,383.5 1745.5,383.5 1748.93,380.07 U5A.23@1780.21,380.07
FAULTB: R56B.1 U2B.70 U5B.23 | length 1890.9
  Top Copper w3.5: v1(1578.79,1047.58) 1578.79,1301.76 1611.61,1334.58 1637.57,1334.58 1662.16,1359.17 R56B.1@1666.1,1359.17 1759.3,1359.17 1760.52,1360.39 1772.33,1360.39 ; v1(2656.79,753.82) 2672.43,769.46 2750.63,769.46 2833.04,687.05
  Bottom Copper w3.5: v1(1578.79,1047.58) 1666.49,1047.58 1669.32,1050.4 1753.04,1050.4 1813.37,990.07 2177.55,990.07 2360.14,807.49 2536.88,807.49 2590.55,753.82 v1(2656.79,753.82)
FAULTC: R56C.1 U2C.70 U5C.23 | length 2470.6
  Top Copper w3.5: 2202.98,3036.18 2214.79,3036.18 2216.01,3037.4 R56C.1@2309.21,3037.4 2313.15,3037.4 2341.45,3065.71 2507.01,3065.71 2903.2,3461.9 2936.38,3461.9 3078,3603.51 3264.93,3603.51 3270.41,3598.03 v1(3461.31,3598.03) ; U2C.70@3360.31,4348.39 3497.33,4348.39 3508.31,4337.4 v1(3553.29,4337.4)
  Bottom Copper w3.5: v1(3461.31,3598.03) 3461.31,3760.2 3553.29,3852.18 v1(3553.29,4337.4)
FAULTD: R56D.1 U2D.70 U5D.23 | length 1912.2
  Top Copper w3.5: U2D.70@1124.09,4332.64 1210.46,4332.64 1265.13,4387.32 v1(1265.13,4387.99) ; v1(1264.39,4690.7) 1265.01,4690.07 1428.67,4690.07 1538.5,4799.9 1538.5,4846.4 1548.62,4856.52 1548.62,5019.88 1639.98,5111.24 1731.89,5111.24 1780.07,5063.06 2085.33,5063.06 2095.7,5052.68 2095.7,4999.97 2070.07,4974.35 2070.07,4926.12 2083.8,4912.4 2083.8,4897.26 R56D.1@2093.11,4887.95 2093.11,4794.75 2094.33,4793.53 2094.33,4781.72
  Bottom Copper w3.5: v1(1264.39,4690.7) 1264.76,4690.32 1264.76,4388.36 v1(1265.13,4387.99)